# KiCad board Duet3_MB.kicad_pcb
title: Duet 3 MB 6HC; date: 2020-03-30; rev: 1.01; company: Duet3D; note: (c) Duet3D; note: See License here https://github.com/Duet3D/Duet3-Mainboard-6HC/blob/master/LICENSE
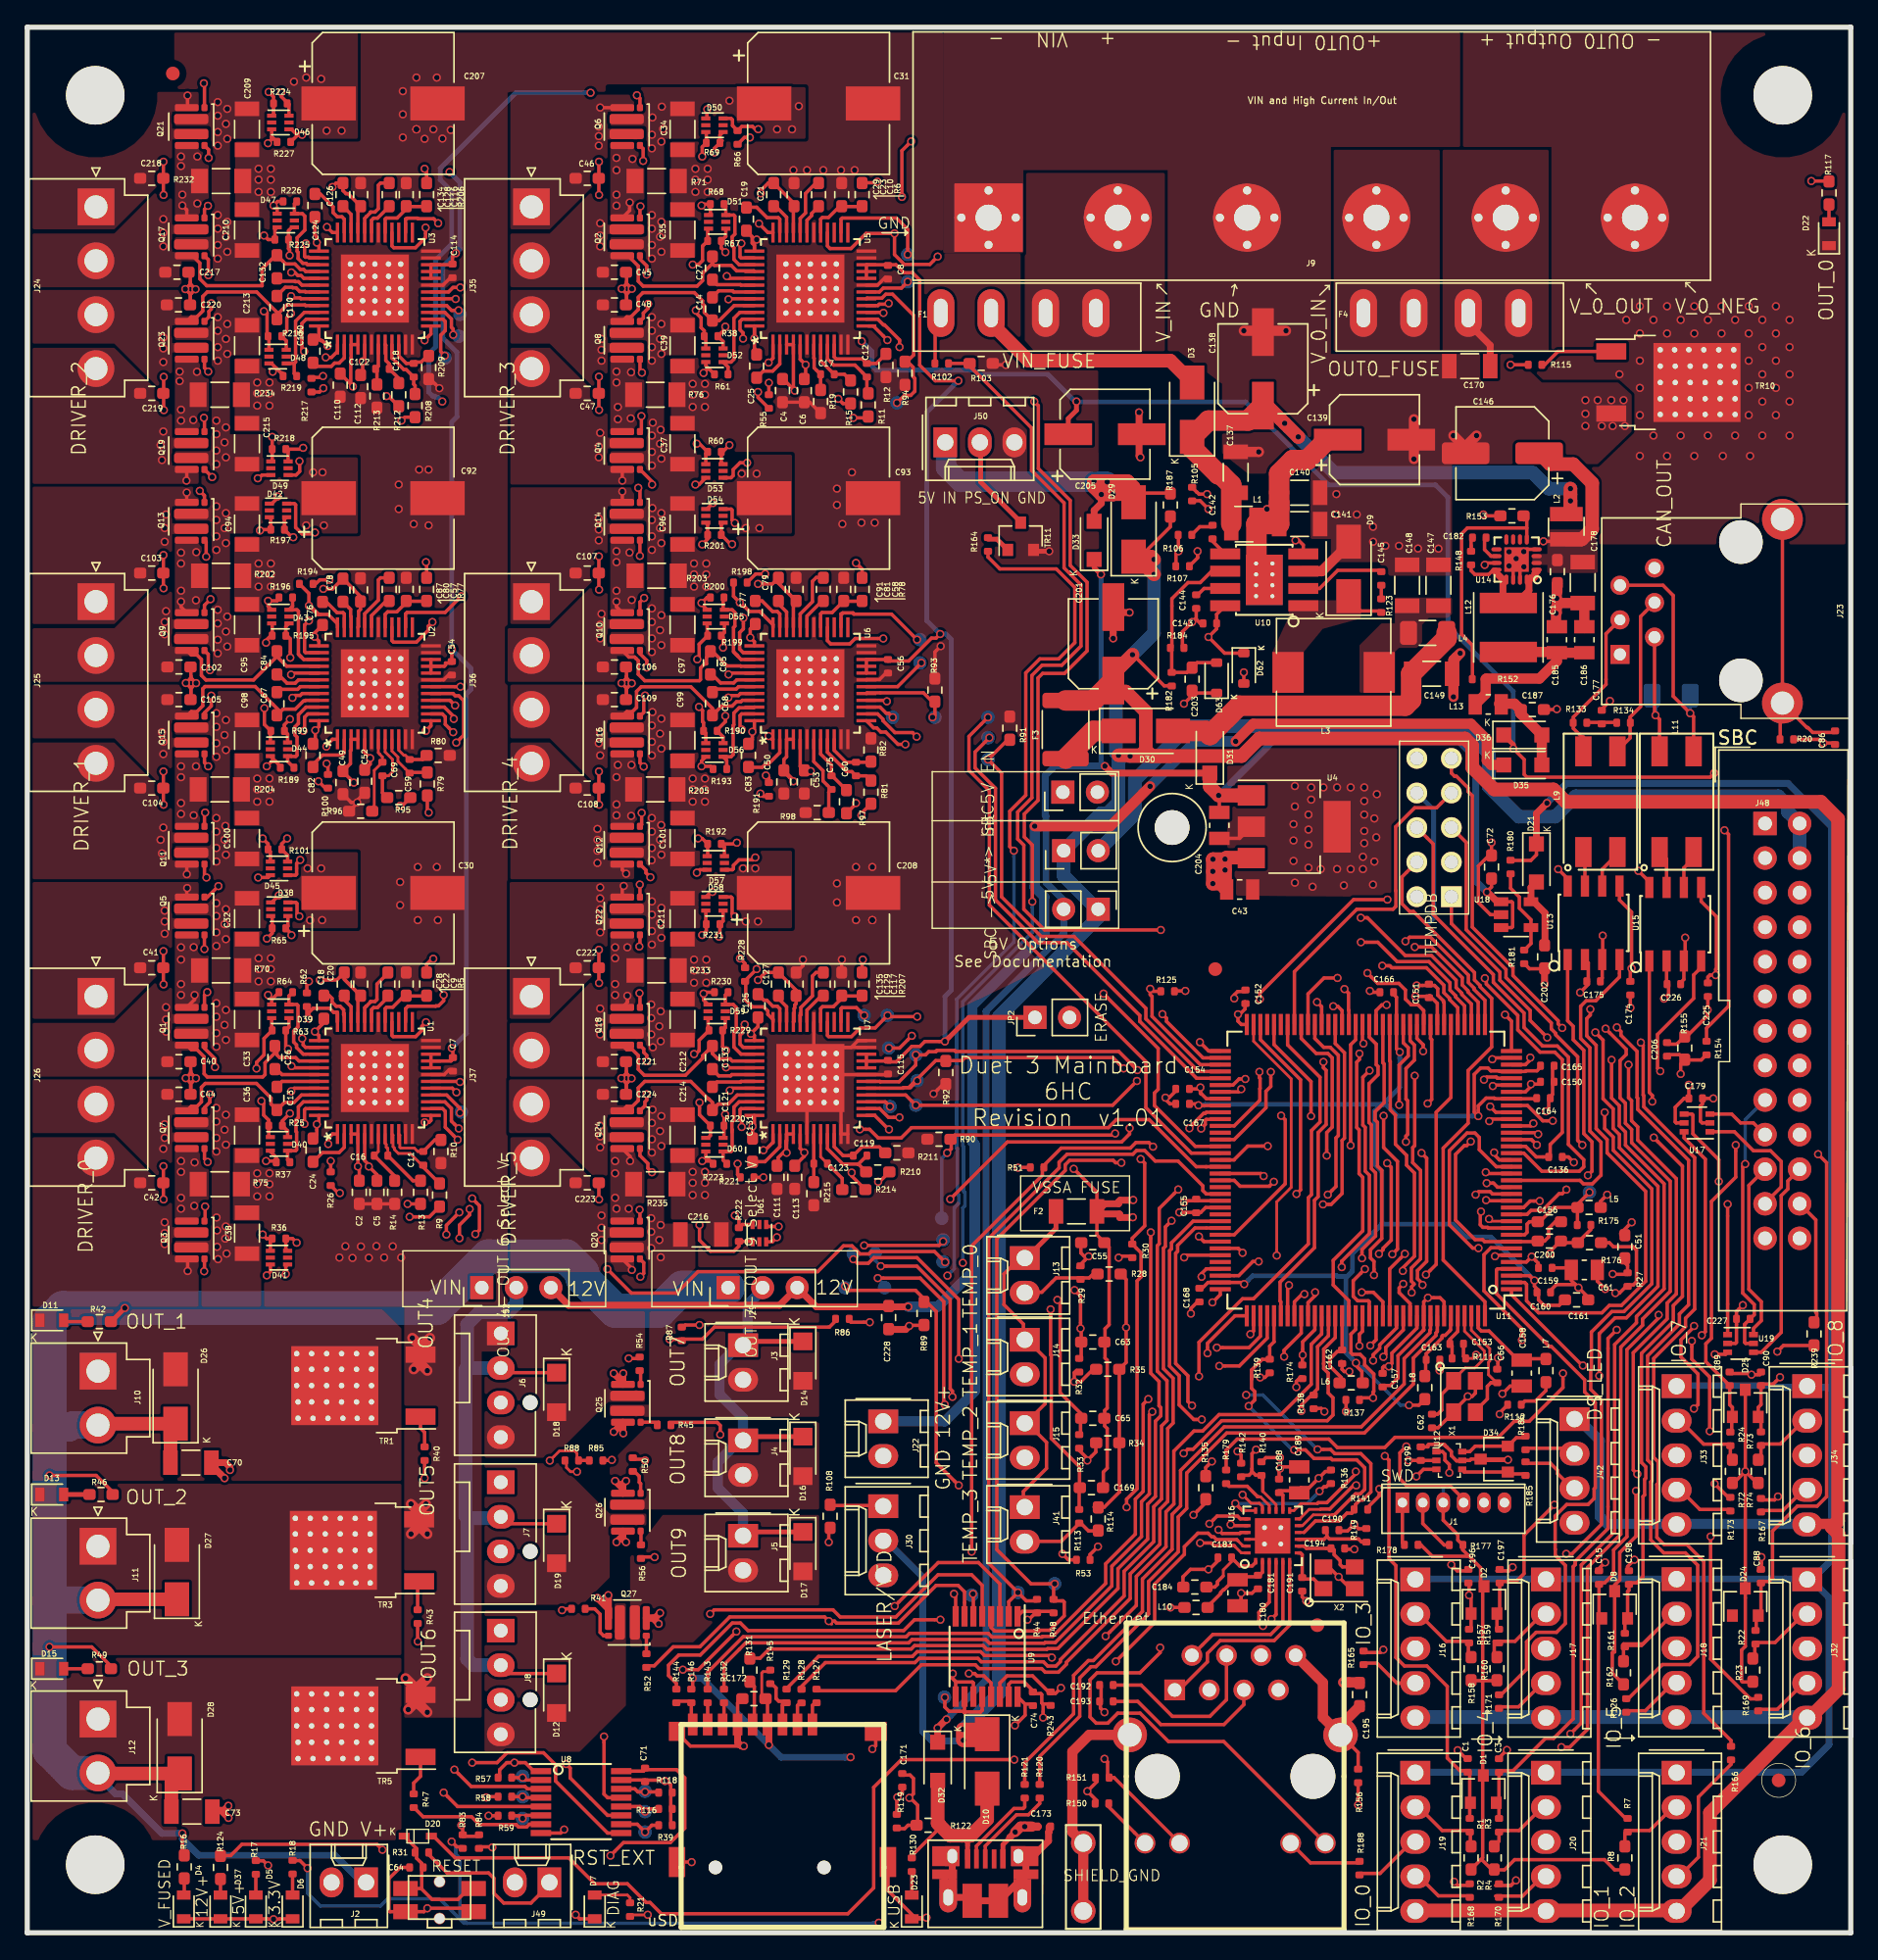
[diagram p0: board, top side]
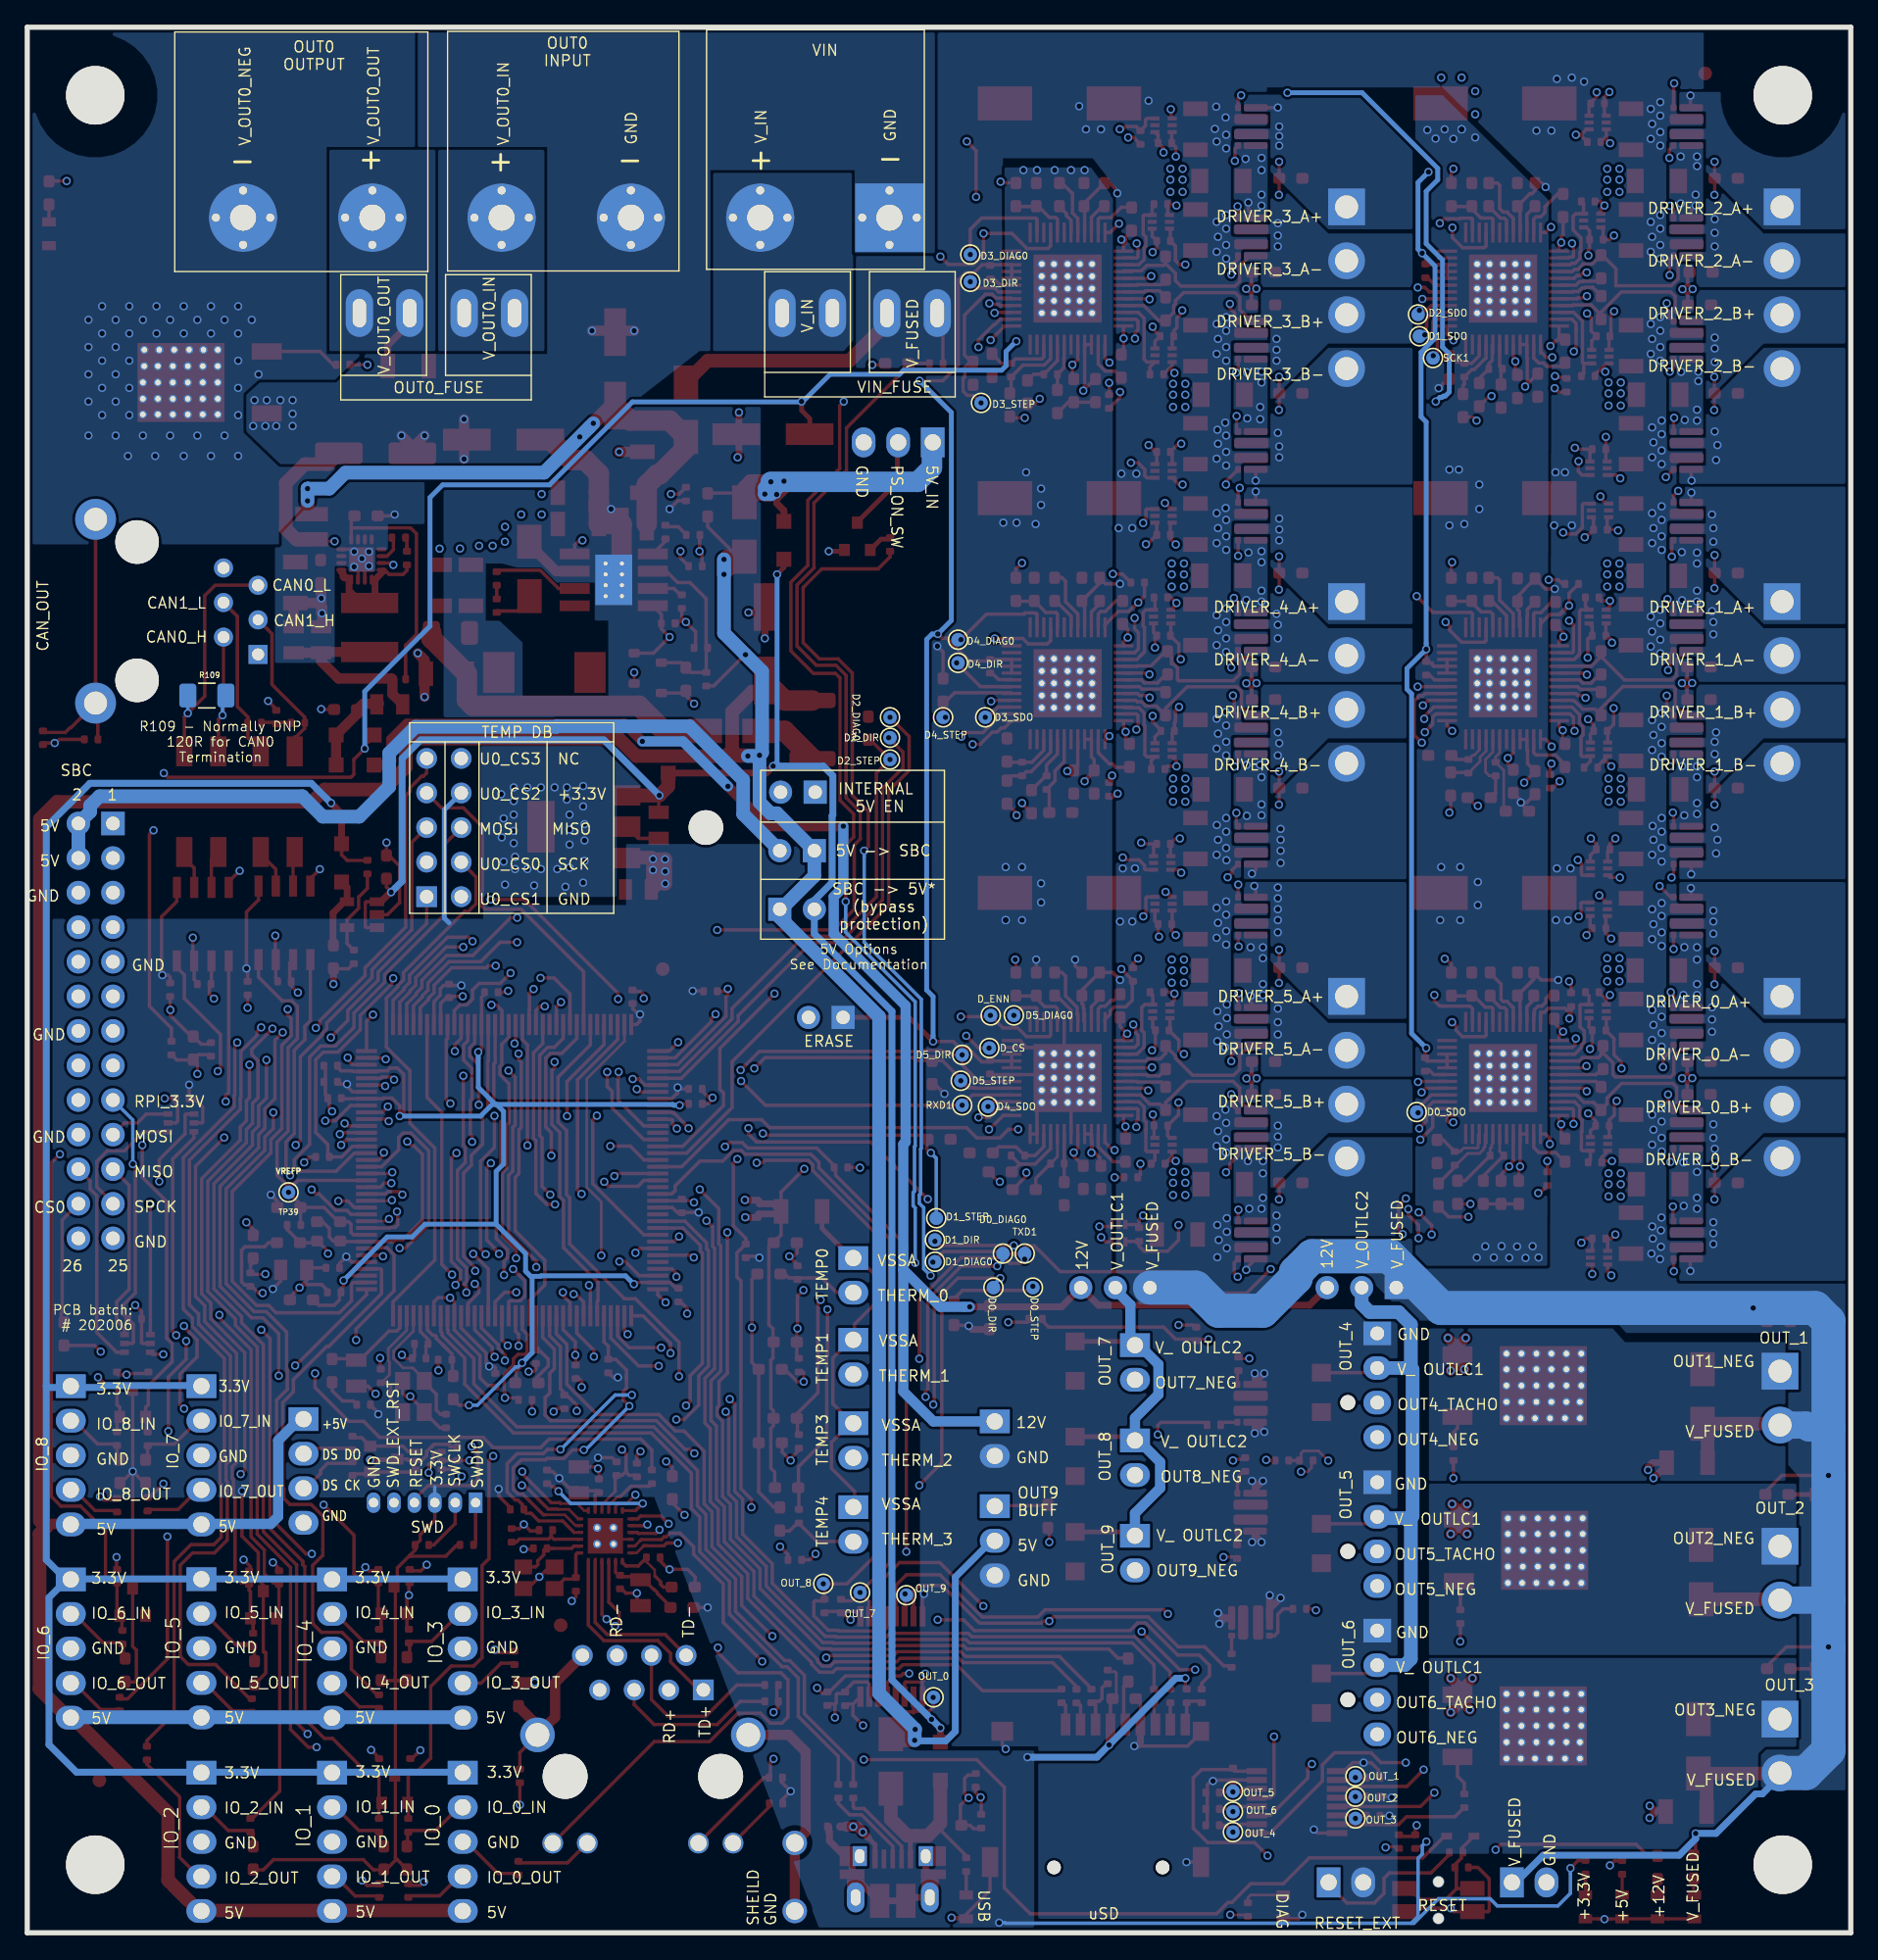
[diagram p1: board, bottom side, seen from below]

Outline 134 x 140 mm; copper layers: Top, In1.Cu, In2.Cu (plane), Bottom. Coordinates in mm from the lower left corner of the outline.
Outline path: 0,140 134,140 134,0 0,0 0,140

## Placement (name value [footprint] x y rotation side)
C1  2n2 -DNP  [C_0402_1005Metric_Wbry]  105.85 12.3 90 top
C2  2u2  [C_0603_1608Metric_Wbry]  24.4 54.4 90 top
C3  2n2 -DNP  [C_0402_1005Metric_Wbry]  108.15 12.29 90 top
C4  2u2  [C_0603_1608Metric_Wbry]  55.5 113.3 90 top
C5  2u2  [C_0603_1608Metric_Wbry]  25.7 54.4 90 top
C6  2u2  [C_0603_1608Metric_Wbry]  57.1 113.3 90 top
C7  0u1  [C_0402_1005Metric_Wbry]  31.28 63.8 90 top
C8  0u1  [C_0402_1005Metric_Wbry]  63.25 122 90 top
C9  470n 16V  [C_0603_1608Metric_Wbry]  27.85 69.7 270 top
C10  470n 16V  [C_0603_1608Metric_Wbry]  59.85 127.7 270 top
C11  2n2  [C_0402_1005Metric_Wbry]  29.1 56.9 270 top
C12  2n2  [C_0402_1005Metric_Wbry]  61.7 114.8 270 top
C13  220n 16V  [C_0603_1608Metric_Wbry]  18.35 61.3 90 top
C14  220n 16V  [C_0603_1608Metric_Wbry]  50.35 119.3 90 top
C15  2n2 -DNP  [C_0402_1005Metric_Wbry]  115.5 26.1 90 top
C16  2n2  [C_0402_1005Metric_Wbry]  26 57.1 0 top
C17  2n2  [C_0402_1005Metric_Wbry]  58.8 114.5 0 top
C18  220n 16V  [C_0603_1608Metric_Wbry]  21.8 68 90 top
C19  220n 16V  [C_0603_1608Metric_Wbry]  52.85 125.9 90 top
C20  0u1 50V  [C_0603_1608Metric_Wbry]  23.3 69.7 90 top
C21  0u1 50V  [C_0603_1608Metric_Wbry]  54.85 127.7 90 top
C22  22n X7R 10% 100V  [C_0603_1608Metric_Wbry]  26.5 69.7 270 top
C23  22n X7R 10% 100V  [C_0603_1608Metric_Wbry]  58.15 127.7 270 top
C24  220n 16V  [C_0603_1608Metric_Wbry]  21 57.5 270 top
C25  220n 16V  [C_0603_1608Metric_Wbry]  53.6 115.1 270 top
C26  220n 16V  [C_0603_1608Metric_Wbry]  18.2 64.3 270 top
C27  220n 16V  [C_0603_1608Metric_Wbry]  50.35 122.3 270 top
C28  0u1 50V  [C_0603_1608Metric_Wbry]  24.5 69.7 90 top
C29  0u1 50V  [C_0603_1608Metric_Wbry]  56.35 127.7 90 top
C30  220u 50V  [CP_Elec_10x10]  26.15 76.4 0 top
C31  220u 50V  [CP_Elec_10x10]  58.15 134.4 0 top
C32  220n 100V  [C_1206_3216Metric]  16.15 74.5 90 top
C33  220n 100V  [C_1206_3216Metric]  16.15 67.1 270 top
C34  220n 100V  [C_1206_3216Metric]  48.15 132.5 90 top
C35  220n 100V  [C_1206_3216Metric]  48.15 125.1 270 top
C36  220n 100V  [C_1206_3216Metric]  16.15 58.6 90 top
C37  220n 100V  [C_1206_3216Metric]  48.15 109.4 270 top
C38  220n 100V  [C_1206_3216Metric]  16.15 51.4 270 top
C39  220n 100V  [C_1206_3216Metric]  48.15 116.6 90 top
C40  1n 100V  [C_0603_1608Metric_Wbry]  11.15 64 180 top
C41  1n 100V  [C_0603_1608Metric_Wbry]  9.15 70.9 180 top
C42  1n 100V  [C_0603_1608Metric_Wbry]  9.15 55.1 180 top
C43  10u  [C_0805_2012Metric]  89.09 76.65 0 top
C44  1n 100V  [C_0603_1608Metric_Wbry]  11.15 61.6 180 top
C45  1n 100V  [C_0603_1608Metric_Wbry]  43.15 122 180 top
C46  1n 100V  [C_0603_1608Metric_Wbry]  41.15 128.9 180 top
C47  1n 100V  [C_0603_1608Metric_Wbry]  41.15 113.1 180 top
C48  1n 100V  [C_0603_1608Metric_Wbry]  43.15 119.6 180 top
C49  2u2  [C_0603_1608Metric_Wbry]  23.2 84.5 90 top
C50  2u2  [C_0603_1608Metric_Wbry]  55.6 84.55 90 top
C51  2u2 16V X7R/X5R  [C_0603_1608Metric_Wbry]  117.4 50.4 90 top
C52  2u2  [C_0603_1608Metric_Wbry]  24.8 84.6 90 top
C53  2u2  [C_0603_1608Metric_Wbry]  57.1 84.55 90 top
C54  0u1  [C_0402_1005Metric_Wbry]  31.2 92.9 90 top
C55  2u2 16V X7R/X5R  [C_0603_1608Metric_Wbry]  78.3 50.7 0 top
C56  0u1  [C_0402_1005Metric_Wbry]  63.25 93.05 90 top
C57  470n 16V  [C_0603_1608Metric_Wbry]  27.85 98.7 270 top
C58  470n 16V  [C_0603_1608Metric_Wbry]  60 98.7 270 top
C59  2n2  [C_0402_1005Metric_Wbry]  28.1 85.7 270 top
C60  2n2  [C_0402_1005Metric_Wbry]  60.9 85.5 270 top
C61  4u7  [C_0805_2012Metric]  114.42 48.7 180 top
C62  10p  [C_0402_1005Metric_Wbry]  103.23 37.6 270 top
C63  2u2 16V X7R/X5R  [C_0603_1608Metric_Wbry]  78.3 43.4 0 top
C64  10n  [C_0402_1005Metric_Wbry]  28.6 4.8 180 top
C65  2u2 16V X7R/X5R  [C_0603_1608Metric_Wbry]  78.3 37.8 0 top
C66  10p  [C_0402_1005Metric_Wbry]  108.02 40.91 90 top
C67  220n 16V  [C_0603_1608Metric_Wbry]  18.35 90.3 90 top
C68  220n 16V  [C_0603_1608Metric_Wbry]  50.35 90.3 90 top
C69  2n2  [C_0402_1005Metric_Wbry]  26.1 85.5 270 top
C70  10u 50V  [C_1206_3216Metric]  12.03 34.54 0 top
C71  0u1  [C_0402_1005Metric_Wbry]  45.4 11.6 270 top
C72  1u 10V+  [C_0603_1608Metric_Wbry]  107.6 78.3 90 top
C73  10u 50V  [C_1206_3216Metric]  12.1 8.9 0 top
C74  0u1  [C_0402_1005Metric_Wbry]  73.9 17.19 90 top
C75  2n2  [C_0402_1005Metric_Wbry]  59.1 84.5 90 top
C76  220n 16V  [C_0603_1608Metric_Wbry]  21.7 96.93 90 top
C77  220n 16V  [C_0603_1608Metric_Wbry]  53.5 97 90 top
C78  0u1 50V  [C_0603_1608Metric_Wbry]  23.2 98.64 90 top
C79  0u1 50V  [C_0603_1608Metric_Wbry]  55.2 98.7 90 top
C80  22n X7R 10% 100V  [C_0603_1608Metric_Wbry]  26.6 98.7 270 top
C81  22n X7R 10% 100V  [C_0603_1608Metric_Wbry]  58.5 98.7 270 top
C82  220n 16V  [C_0603_1608Metric_Wbry]  21 86.5 270 top
C83  220n 16V  [C_0603_1608Metric_Wbry]  53 86.5 270 top
C84  220n 16V  [C_0603_1608Metric_Wbry]  18.35 93.3 270 top
C85  220n 16V  [C_0603_1608Metric_Wbry]  50.2 93.3 270 top
C86  10n  [C_0402_1005Metric_Wbry]  132.84 87.8 270 top
C87  0u1 50V  [C_0603_1608Metric_Wbry]  24.49 98.66 90 top
C88  2n2 - DNP  [C_0402_1005Metric_Wbry]  127.4 26.2 90 top
C89  2n2 - DNP  [C_0402_1005Metric_Wbry]  125.1 40.7 90 top
C90  2n2 - DNP  [C_0402_1005Metric_Wbry]  127.4 40.7 90 top
C91  0u1 50V  [C_0603_1608Metric_Wbry]  56.5 98.7 90 top
C92  220u 50V  [CP_Elec_10x10]  26.15 105.4 0 top
C93  220u 50V  [CP_Elec_10x10]  58.15 105.4 0 top
C94  220n 100V  [C_1206_3216Metric]  16.15 103.5 90 top
C95  220n 100V  [C_1206_3216Metric]  16.15 96.1 270 top
C96  220n 100V  [C_1206_3216Metric]  48.15 103.5 90 top
C97  220n 100V  [C_1206_3216Metric]  48.15 96.1 270 top
C98  220n 100V  [C_1206_3216Metric]  16.15 87.6 90 top
C99  220n 100V  [C_1206_3216Metric]  48.15 87.6 90 top
C100  220n 100V  [C_1206_3216Metric]  16.15 80.4 270 top
C101  220n 100V  [C_1206_3216Metric]  48.15 80.4 270 top
C102  1n 100V  [C_0603_1608Metric_Wbry]  11.15 93 180 top
C103  1n 100V  [C_0603_1608Metric_Wbry]  9.15 99.9 180 top
C104  1n 100V  [C_0603_1608Metric_Wbry]  9.15 84.1 180 top
C105  1n 100V  [C_0603_1608Metric_Wbry]  11.15 90.6 180 top
C106  1n 100V  [C_0603_1608Metric_Wbry]  43.15 93 180 top
C107  1n 100V  [C_0603_1608Metric_Wbry]  41.15 99.9 180 top
C108  1n 100V  [C_0603_1608Metric_Wbry]  41.15 84.1 180 top
C109  1n 100V  [C_0603_1608Metric_Wbry]  43.15 90.6 180 top
C110  2u2  [C_0603_1608Metric_Wbry]  23 113.7 90 top
C111  2u2  [C_0603_1608Metric_Wbry]  55.1 55.5 90 top
C112  2u2  [C_0603_1608Metric_Wbry]  24.5 113.6 90 top
C113  2u2  [C_0603_1608Metric_Wbry]  56.4 55.5 90 top
C114  0u1  [C_0402_1005Metric_Wbry]  31.25 122.1 90 top
C115  0u1  [C_0402_1005Metric_Wbry]  63.25 63.6 90 top
C116  470n 16V  [C_0603_1608Metric_Wbry]  27.85 127.7 270 top
C117  470n 16V  [C_0603_1608Metric_Wbry]  59.85 69.7 270 top
C118  2n2  [C_0402_1005Metric_Wbry]  28.4 114.8 270 top
C119  2n2  [C_0402_1005Metric_Wbry]  61.2 57.1 0 top
C120  220n 16V  [C_0603_1608Metric_Wbry]  18.35 119.4 90 top
C121  220n 16V  [C_0603_1608Metric_Wbry]  50.35 61.3 90 top
C122  2n2  [C_0402_1005Metric_Wbry]  26.1 114.9 0 top
C123  2n2  [C_0402_1005Metric_Wbry]  58.3 56.51 0 top
C124  220n 16V  [C_0603_1608Metric_Wbry]  21.14 126.9 90 top
C125  220n 16V  [C_0603_1608Metric_Wbry]  53.7 68.1 90 top
C126  0u1 50V  [C_0603_1608Metric_Wbry]  23.2 127.7 90 top
C127  0u1 50V  [C_0603_1608Metric_Wbry]  55.2 69.7 90 top
C128  22n X7R 10% 100V  [C_0603_1608Metric_Wbry]  26.6 127.7 270 top
C129  22n X7R 10% 100V  [C_0603_1608Metric_Wbry]  58.5 69.7 270 top
C130  220n 16V  [C_0603_1608Metric_Wbry]  21 116.2 270 top
C131  220n 16V  [C_0603_1608Metric_Wbry]  53.3 57.5 270 top
C132  220n 16V  [C_0603_1608Metric_Wbry]  18.35 122.4 270 top
C133  220n 16V  [C_0603_1608Metric_Wbry]  50.35 64.3 270 top
C134  0u1 50V  [C_0603_1608Metric_Wbry]  24.5 127.7 90 top
C135  0u1 50V  [C_0603_1608Metric_Wbry]  56.5 69.7 90 top
C136  2n2  [C_0402_1005Metric_Wbry]  112.3 57 0 top
C137  10u 40V  [C_1206_3216Metric]  88.8 107.3 90 top
C138  100u 40V  [CP_Elec_6.3x7.7]  90.8 114.9 90 top
C139  100u 40V  [CP_Elec_6.3x7.7]  99 109.7 0 top
C140  10u 40V  [C_1206_3216Metric]  93.5 105.8 0 top
C141  10u 40V  [C_1206_3216Metric]  93.5 103.5 0 top
C142  1n  [C_0402_1005Metric_Wbry]  87.1 102.91 90 top
C143  0u1  [C_0402_1005Metric_Wbry]  86.9 96.2 180 top
C144  0u1  [C_0402_1005Metric_Wbry]  85.9 97.8 90 top
C145  0u1  [C_0402_1005Metric_Wbry]  99.5 99.5 90 top
C146  100u 40V  [CP_Elec_6.3x7.7#2]  108.4 108.7 180 top
C147  10u 35V  [C_1206_3216Metric]  103.7 99 90 top
C148  10u 35V  [C_1206_3216Metric]  101.4 99 90 top
C149  10u 35V  [C_1206_3216Metric]  103.2 92.5 0 top
C150  0u1  [C_0402_1005Metric_Wbry]  111.7 62.52 0 top
C151  0u1  [C_0402_1005Metric_Wbry]  103 69.2 270 top
C152  0u1  [C_0402_1005Metric_Wbry]  89.52 68.77 90 top
C153  10p  [C_0402_1005Metric_Wbry]  105.04 43.27 0 top
C154  0u1  [C_0402_1005Metric_Wbry]  84.9 62 180 top
C155  0u1  [C_0402_1005Metric_Wbry]  85.9 53.4 90 top
C156  1u 10V X75/X5R 10%  [C_0603_1608Metric_Wbry]  111.85 52.24 0 top
C157  0u1  [C_0402_1005Metric_Wbry]  99.6 40.6 270 top
C158  4u7  [C_0805_2012Metric]  109.82 41.12 270 top
C159  0u1  [C_0402_1005Metric_Wbry]  111.55 48.85 0 top
C160  0u1  [C_0402_1005Metric_Wbry]  111.44 47.05 0 top
C161  1u 10V X75/X5R 10%  [C_0603_1608Metric_Wbry]  113.85 46.5 0 top
C162  0u1  [C_0402_1005Metric_Wbry]  96.62 42.32 270 top
C163  0u1  [C_0402_1005Metric_Wbry]  103.3 42.1 0 top
C164  0u1  [C_0402_1005Metric_Wbry]  111.42 61.32 0 top
C165  0u1  [C_0402_1005Metric_Wbry]  111.7 63.7 0 top
C166  0u1  [C_0402_1005Metric_Wbry]  99.9 69.1 180 top
C167  0u1  [C_0402_1005Metric_Wbry]  84.9 60.9 180 top
C168  0u1  [C_0402_1005Metric_Wbry]  86.14 46.85 270 top
C169  2u2 16V X7R/X5R  [C_0603_1608Metric_Wbry]  78.2 32.7 0 top
C170  10u 50V  [C_1206_3216Metric]  106 115.1 180 top
C171  0u1  [C_0402_1005Metric_Wbry]  64.3 11.2 270 top
C172  2u2 16V X7R/X5R  [C_0603_1608Metric_Wbry]  53.4 17.2 180 top
C173  10n  [C_0402_1005Metric_Wbry]  74.7 7.8 180 top
C174  0u1  [C_0402_1005Metric_Wbry]  117.8 69.4 270 top
C175  0u1  [C_0402_1005Metric_Wbry]  115.1 69.9 180 top
C176  0u1 50V  [C_0603_1608Metric_Wbry]  112.44 100 270 top
C177  4n7  [C_0402_1005Metric_Wbry]  115.7 89.31 270 top
C178  10u 50V  [C_1206_3216Metric]  114.3 99.2 270 top
C179  0u1  [C_0402_1005Metric_Wbry]  122.6 61.3 0 top
C180  10u  [C_0805_2012Metric]  88.94 24.98 270 top
C181  0u1  [C_0402_1005Metric_Wbry]  90.44 25.77 270 top
C182  100n  [C_0402_1005Metric_Wbry]  106.7 102.5 0 top
C183  0u1  [C_0402_1005Metric_Wbry]  88 27.57 180 top
C184  2u2 16V X7R/X5R  [C_0603_1608Metric_Wbry]  85.8 25.4 180 top
C185  22u  [C_0805_2012Metric]  112.4 95 90 top
C186  22u  [C_0805_2012Metric]  114.42 95 90 top
C187  1u  [C_0603_1608Metric_Wbry]  110.6 89.87 0 top
C188  0u1  [C_0402_1005Metric_Wbry]  91.99 32.83 90 top
C189  10u  [C_0805_2012Metric]  93.47 33.27 90 top
C190  100p DNP  [C_0402_1005Metric_Wbry]  95.89 29.58 180 top
C191  22p  [C_0402_1005Metric_Wbry]  93.69 25.6 90 top
C192  0u1  [C_0402_1005Metric_Wbry]  79.3 18.2 180 top
C193  0u1  [C_0402_1005Metric_Wbry]  79.3 17 180 top
C194  22p  [C_0402_1005Metric_Wbry]  96.31 28.24 180 top
C195  10n +200V  [C_0603_1608Metric_Wbry]  97.9 17.5 270 top
C196  2n2 -DNP  [C_0402_1005Metric_Wbry]  105.9 26.2 90 top
C197  2n2 -DNP  [C_0402_1005Metric_Wbry]  108.2 26.2 90 top
C198  2n2 -DNP  [C_0402_1005Metric_Wbry]  117.7 26.1 90 top
C199  0u1  [C_0402_1005Metric_Wbry]  102.4 35.2 270 top
C200  2u2 16V X7R/X5R  [C_0603_1608Metric_Wbry]  111.85 50.82 180 top
C201  100u 16V  [CP_Elec_6.3x7.7]  79.81 94.7 90 top
C202  1u 10V+  [C_0603_1608Metric_Wbry]  111.5 71.7 270 top
C203  220p 50V  [C_0603_1608Metric_Wbry]  85.6 92.1 90 top
C204  10u  [C_0805_2012Metric]  87.6 81.36 270 top
C205  100u 16V+  [CP_Elec_6.3x7.7]  79.2 110.1 0 top
C206  10n  [C_0402_1005Metric_Wbry]  120.5 64.9 90 top
C207  220u 50V  [CP_Elec_10x10]  26.15 134.4 0 top
C208  220u 50V  [CP_Elec_10x10]  58.15 76.4 0 top
C209  220n 100V  [C_1206_3216Metric]  16.15 132.5 90 top
C210  220n 100V  [C_1206_3216Metric]  16.15 125.1 270 top
C211  220n 100V  [C_1206_3216Metric]  48.15 74.5 90 top
C212  220n 100V  [C_1206_3216Metric]  48.15 67.1 270 top
C213  220n 100V  [C_1206_3216Metric]  16.15 116.6 90 top
C214  220n 100V  [C_1206_3216Metric]  48.15 58.6 90 top
C215  220n 100V  [C_1206_3216Metric]  16.15 109.4 270 top
C216  220n 100V  [C_1206_3216Metric]  49.5 51.3 180 top
C217  1n 100V  [C_0603_1608Metric_Wbry]  11 122 180 top
C218  1n 100V  [C_0603_1608Metric_Wbry]  9.15 128.9 180 top
C219  1n 100V  [C_0603_1608Metric_Wbry]  9.15 113.1 180 top
C220  1n 100V  [C_0603_1608Metric_Wbry]  11.11 119.6 180 top
C221  1n 100V  [C_0603_1608Metric_Wbry]  43.15 64 180 top
C222  1n 100V  [C_0603_1608Metric_Wbry]  41.15 70.9 180 top
C223  1n 100V  [C_0603_1608Metric_Wbry]  41.15 55.1 180 top
C224  1n 100V  [C_0603_1608Metric_Wbry]  43.15 61.6 180 top
C225  0u1  [C_0402_1005Metric_Wbry]  123.5 69.29 270 top
C226  0u1  [C_0402_1005Metric_Wbry]  121 69.7 180 top
C227  0u1  [C_0402_1005Metric_Wbry]  126.1 45.1 180 top
C228  1u  [C_0603_1608Metric_Wbry]  63.3 45.2 270 top
D1  BAT54C  [SOT-23]  107 10.55 90 top
D2  BAT54C  [SOT-23]  107.05 24.45 90 top
D3  CDBA540-HF  [D_SMA]  85.6 111.9 90 top
D4  V_FUSED  [LED_0603_1608Metric]  11.5 1.9 90 top
D5  5V+  [LED_0603_1608Metric]  16.8 1.9 90 top
D6  3.3V  [LED_0603_1608Metric]  19.5 1.9 90 top
D7  DIAG  [LED_0603_1608Metric]  41.7 1.9 90 top
D8  BAT54C  [SOT-23]  116.65 24.1 90 top
D9  CDBA540-HF  [D_SMA]  97.1 100.2 90 top
D10  3A 40V  [D_SMA]  70.54 12.59 270 top
D11  OUT_1  [LED_0603_1608Metric]  1.8 45 0 top
D12  -  [DO-219AB]  38.9 17.6 270 top
D13  OUT_2  [LED_0603_1608Metric]  1.8 32.2 0 top
D14  -  [DO-219AB]  57 42 270 top
D15  OUT_3  [LED_0603_1608Metric]  1.8 19.4 0 top
D16  -  [DO-219AB]  57 35 270 top
D17  -  [DO-219AB]  57 28 270 top
D18  -  [DO-219AB]  38.9 39.7 270 top
D19  -  [DO-219AB]  38.9 28.6 270 top
D20  1N4448WT  [SOD-523F]  28.7 7.1 180 top
D21  DSS14UTR  [D_SOD-123F]  110.9 78.6 270 top
D22  OUT_0  [LED_0603_1608Metric]  132.4 124.83 90 top
D23  USB  [LED_0603_1608Metric]  65 1.9 90 top
D24  BAT54C  [SOT-23]  126.25 24.3 90 top
D25  BAT54C  [SOT-23]  126.25 38.9 90 top
D26  3A 40V  [D_SMA]  10.9 39.4 90 top
D27  3A 40V  [D_SMA]  11 26.5 90 top
D28  3A 40V  [D_SMA]  11.2 13.7 90 top
D29  3A 40V  [D_SMA]  81.3 103.1 90 top
D30  3A 40V  [D_SMA]  82.2 88.3 0 top
D31  DSS14UTR  [D_SOD-123F]  86.9 86.6 90 top
D32  DSS14UTR  [D_SOD-123F]  66.9 12.6 270 top
D33  DSS14UTR  [D_SOD-123F]  78.4 102.3 90 top
D34  BAT54C  [SOT-23]  107.8 34.8 180 top
D35  DSS14UTR  [D_SOD-123F]  109.9 85.8 0 top
D36  DSS14UTR  [D_SOD-123F]  109.9 88 0 top
D37  12V+  [LED_0603_1608Metric]  14.2 1.9 90 top
D38  BAT40V  [SOT-563]  18.52 75.2 0 top
D39  BAT40V  [SOT-563]  18.6 67.7 0 top
D40  BAT40V  [SOT-563]  18.5 57.96 0 top
D41  BAT40V  [SOT-563]  18.5 49.6 0 top
D42  BAT40V  [SOT-563]  18.43 104.5 0 top
D43  BAT40V  [SOT-563]  18.6 96.7 0 top
D44  BAT40V  [SOT-563]  18.5 86.95 0 top
D45  BAT40V  [SOT-563]  18.5 78.2 0 top
D46  BAT40V  [SOT-563]  18.6 133 0 top
D47  BAT40V  [SOT-563]  19 125.8 0 top
D48  BAT40V  [SOT-563]  18.4 115.8 0 top
D49  BAT40V  [SOT-563]  18.53 107.6 0 top
D50  BAT40V  [SOT-563]  50.5 132.8 0 top
D51  BAT40V  [SOT-563]  50.7 125.7 0 top
D52  BAT40V  [SOT-563]  50.5 115.9 0 top
D53  BAT40V  [SOT-563]  50.5 107.4 0 top
D54  BAT40V  [SOT-563]  50.5 104.1 0 top
D55  BAT40V  [SOT-563]  50.6 96.7 0 top
D56  BAT40V  [SOT-563]  50.5 86.9 0 top
D57  BAT40V  [SOT-563]  50.6 78.6 0 top
D58  BAT40V  [SOT-563]  50.5 75.6 0 top
D59  BAT40V  [SOT-563]  50.67 67.7 0 top
D60  BAT40V  [SOT-563]  50.5 57.9 0 top
D61  BAT40V  [SOT-563]  53.8 51.4 90 top
D62  MM3Z4V7ST1G  [D_SOD-323-Onsemi]  89.4 92.9 270 top
D63  MM3Z4V7ST1G  [D_SOD-323-Onsemi]  87.4 92.2 90 top
F1  VIN_FUSE  [MCCQ-122-minibladefuseholder]  67.13 119 0 top
F2  VSSA FUSE  [Fuse_1206_3216Metric]  77.1 53 0 top
F3  PTC_3A  [Fuse_1812_4532Metric]  76.3 88.4 270 top
F4  OUT0_FUSE  [MCCQ-122-minibladefuseholder]  98.19 119 0 top
J1  SWD  [JST_ZH_1x06_P1.5_B6B-ZR-SM4-TF]  104.8 31.6 180 top
J2  GND V+  [Wurth_61900211121-1x02_P2.54mm_Vertical-(Molex_KK-254_AE-6410-02Acompatible)]  23.63 3.7 180 top
J3  OUT7  [Wurth_61900211121-1x02_P2.54mm_Vertical-(Molex_KK-254_AE-6410-02Acompatible)]  52.6 41.9 270 top
J4  OUT8  [Wurth_61900211121-1x02_P2.54mm_Vertical-(Molex_KK-254_AE-6410-02Acompatible)]  52.6 34.9 270 top
J5  OUT9  [Wurth_61900211121-1x02_P2.54mm_Vertical-(Molex_KK-254_AE-6410-02Acompatible)]  52.6 27.9 270 top
J6  OUT4  [FanPinHeader_1x04_P2.54mm_Vertical]  34.8 44.03 270 top
J7  OUT5  [FanPinHeader_1x04_P2.54mm_Vertical]  34.8 33.1 270 top
J8  OUT6  [FanPinHeader_1x04_P2.54mm_Vertical]  34.8 22.2 270 top
J9  VIN and High Current In/Out  [screwt-barrier-9.5mm-1x6]  94.39 126.01 180 top
J10  OUT1  [JST_VH_B2P-VH-B_1x02_P3.96mm_Vertical]  5.2 41.26 270 top
J11  OUT2  [JST_VH_B2P-VH-B_1x02_P3.96mm_Vertical]  5.2 28.4 270 top
J12  OUT3  [JST_VH_B2P-VH-B_1x02_P3.96mm_Vertical]  5.2 15.7 270 top
J13  TEMP_0  [Wurth_61900211121-1x02_P2.54mm_Vertical-(Molex_KK-254_AE-6410-02Acompatible)]  73.3 48.3 270 top
J14  TEMP_1  [Wurth_61900211121-1x02_P2.54mm_Vertical-(Molex_KK-254_AE-6410-02Acompatible)]  73.3 42.3 270 top
J15  TEMP_2  [Wurth_61900211121-1x02_P2.54mm_Vertical-(Molex_KK-254_AE-6410-02Acompatible)]  73.3 36.17 270 top
J16  IO_3  [Wurth_61900511121-1x05_P2.54mm_Vertical(Molex_KK-254_AE-6410-05A_Compatibe)]  102 20.88 270 top
J17  IO_4  [Wurth_61900511121-1x05_P2.54mm_Vertical(Molex_KK-254_AE-6410-05A_Compatibe)]  111.6 20.88 270 top
J18  IO_5  [Wurth_61900511121-1x05_P2.54mm_Vertical(Molex_KK-254_AE-6410-05A_Compatibe)]  121.2 20.9 270 top
J19  IO_0  [Wurth_61900511121-1x05_P2.54mm_Vertical(Molex_KK-254_AE-6410-05A_Compatibe)]  102 6.68 270 top
J20  IO_1  [Wurth_61900511121-1x05_P2.54mm_Vertical(Molex_KK-254_AE-6410-05A_Compatibe)]  111.6 6.68 270 top
J21  IO_2  [Wurth_61900511121-1x05_P2.54mm_Vertical(Molex_KK-254_AE-6410-05A_Compatibe)]  121.2 6.68 270 top